# Altium PCB CrypTech.PcbDoc (part 2 of 6)
Units mm, origin at the board's own origin, x right, y up, seen from the top; angles counter-clockwise.
Board outline 99.5 x 122 mm, 8 copper layers (Top, Ground Plane 1, Inner Layer 1, 3V3 Plane, Power Plane, Inner Layer 2, Ground Plane 2, Bottom), stack 1.553 mm thick; 385 components, 302 nets, 2103 pads, 1544 vias.
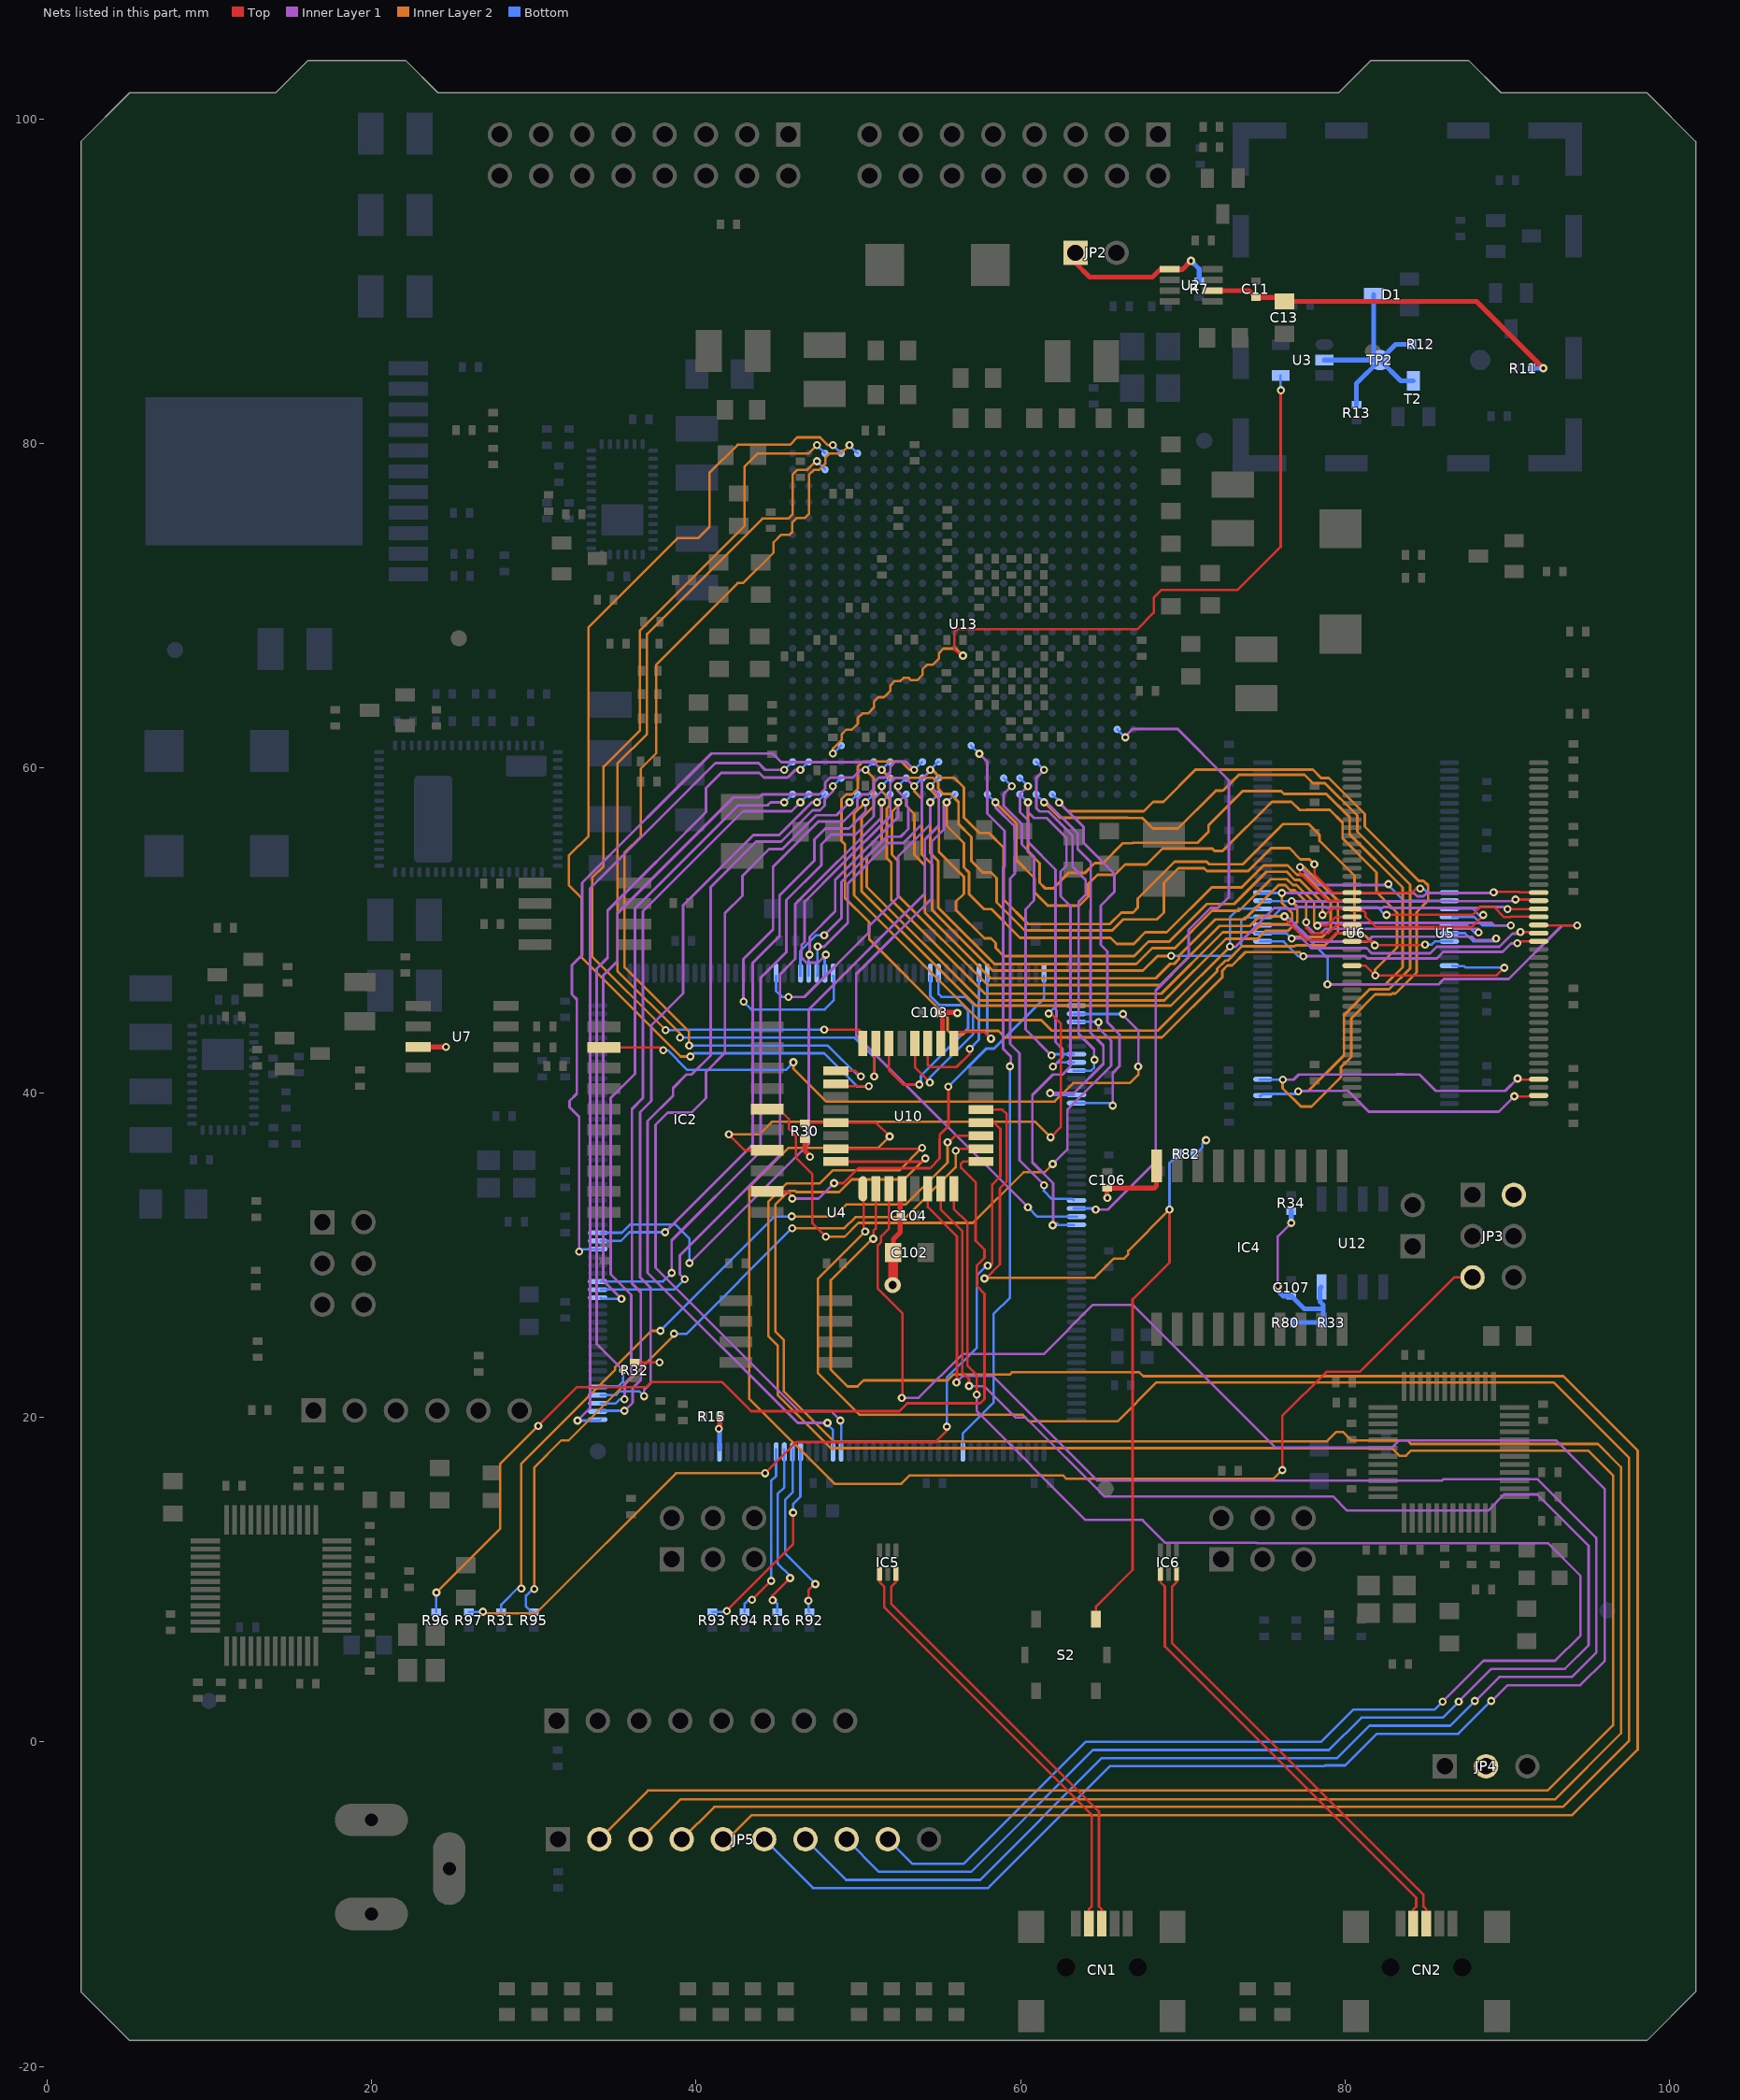
[diagram p8: the nets of this part, all layers, seen from the top]

## Footprints (in the part's own frame and the unit in brackets; to place one, negate y for a bottom-side part, rotate by r counter-clockwise, add the part's x,y. Pads: shape width x height; smd on the part's side, far side on the other; paste and mask are expansions set on the pad) (continued)
TSSOP50P1180X120-86N [mm] "TSSOP, 86-Leads, Body 22,22x10,16mm, Pitch 0,50mm, IPC Medium Density"
  oval 1.2x0.3 smd: 1(-5.75,10.5) 2(-5.75,10) 3(-5.75,9.5) 4(-5.75,9) 5(-5.75,8.5) 6(-5.75,8) 7(-5.75,7.5) 8(-5.75,7) 9(-5.75,6.5) 10(-5.75,6) 11(-5.75,5.5) 12(-5.75,5) 13(-5.75,4.5) 14(-5.75,4) 15(-5.75,3.5) 16(-5.75,3) 17(-5.75,2.5) 18(-5.75,2) 19(-5.75,1.5) 20(-5.75,1) 21(-5.75,0.5) 22(-5.75,0) 23(-5.75,-0.5) 24(-5.75,-1) 25(-5.75,-1.5) 26(-5.75,-2) 27(-5.75,-2.5) 28(-5.75,-3) 29(-5.75,-3.5) 30(-5.75,-4) 31(-5.75,-4.5) 32(-5.75,-5) 33(-5.75,-5.5) 34(-5.75,-6) 35(-5.75,-6.5) 36(-5.75,-7) 37(-5.75,-7.5) 38(-5.75,-8) 39(-5.75,-8.5) 40(-5.75,-9) 41(-5.75,-9.5) 42(-5.75,-10) 43(-5.75,-10.5) 44(5.75,-10.5) 45(5.75,-10) 46(5.75,-9.5) 47(5.75,-9) 48(5.75,-8.5) 49(5.75,-8) 50(5.75,-7.5) 51(5.75,-7) 52(5.75,-6.5) 53(5.75,-6) 54(5.75,-5.5) 55(5.75,-5) 56(5.75,-4.5) 57(5.75,-4) 58(5.75,-3.5) 59(5.75,-3) 60(5.75,-2.5) 61(5.75,-2) 62(5.75,-1.5) 63(5.75,-1) 64(5.75,-0.5) 65(5.75,0) 66(5.75,0.5) 67(5.75,1) 68(5.75,1.5) 69(5.75,2) 70(5.75,2.5) 71(5.75,3) 72(5.75,3.5) 73(5.75,4) 74(5.75,4.5) 75(5.75,5) 76(5.75,5.5) 77(5.75,6) 78(5.75,6.5) 79(5.75,7) 80(5.75,7.5) 81(5.75,8) 82(5.75,8.5) 83(5.75,9) 84(5.75,9.5) 85(5.75,10) 86(5.75,10.5)
  silkscreen extent -5.88,-11.2 4.75,11.32, body extent -5.15,-11.2 5.15,11.2, height 1.2
USB-MINIB [mm] "USB-MINIB"
  rect 0.6x1.6 smd: D+(0,3.7) D-(-0.8,3.7) GND(1.6,3.7) ID(0.8,3.7) VBUS(-1.6,3.7)
  rect 1.6x2 smd: GND(-4.34,-2) GND(-4.34,3.505) GND(4.36,-2) GND(4.36,3.505)
  round 1.016 hole 1.1 unplated mask+0.25: ""(-2.2,1.016) ""(2.21,1.016)
  silkscreen extent -3.9,-0.6 3.91,4.85, body extent -4.92,-5.01 4.98,4.19, height 4.14
VD_0603 [mm] "Chip, 2-Leads, Body 1,6x0,8mm, IPC Medium Density"
  rect 0.8x1 smd paste-0.08 mask+0.05: 1(-0.8,0) 2(0.8,0)
  silkscreen extent -1.53,-0.83 1.83,0.83, body extent -0.85,-0.45 0.85,0.45, height 0.5
WE-SHC_36103205_NO_CREAM [mil] "WE-SHC_36103205_NO_CREAM"
  rect 40x130 smd: 1(-353.54,-358.27) 1(-353.54,359) 1(454,-358.27) 1(454,359)
  rect 40x103 smd: 1(-353.54,-147.64) 1(-353.54,148) 1(454,-147.64) 1(454,148)
  rect 130x40 smd: 1(-308.27,-403.54) 1(-308.27,404) 1(409,-403.54) 1(409,404)
  rect 103x40 smd: 1(-97.64,-403.54) 1(-97.64,404) 1(198,-403.54) 1(198,404)
  silkscreen extent -394,-453 492,453
XTAL3215 [mil] "XTAL3215"
  rect 44x75 smd: P$1(48,0) P$2(-47.24,0)
  silkscreen extent -52,-49 52,49

## Part data
C1 C2 C3 C113 C114 C205 C206: library part C-EUC1210, "1210 CAPACITOR"
C4 C5 C6 C11 C12 C17 C18 C19 C20 C28 C29 C30 C31 C32 C33 C34 C35 C36 C37 C38 C39 C40 C41 C42 C43 C44 C45 C46 C47 C48 C49 C50 C51 C52 C53 C54 C55 C56 C57 C58 C59 C60 C61 C62 C63 C64 C65 C66 C67 C68 C69 C70 C71 C73 C74 C75 C76 C78 C79 C81 C83 C84 C85 C86 C88 C89 C90 C91 C93 C94 C96 C98 C99 C100 C101 C103 C104 C105 C106 C107 C108 C109 C110 C111 C112 C115 C116 C117 C118 C121 C122 C124 C125 C128 C129 C130 C131 C134 C135 C138 C142 C143 C146 C147 C150 C151 C154 C155 C158 C159 C162 C163 C164 C181 C182 C183 C184 C185 C186 C187 C188 C189 C190 C191 C192 C193 C194 C195 C196 C197 C198 C199 C200 C201 C202 C203 C204 C207 C208 C211 C212 C213 C214 C215: library part C-EUC0402, "0402 CAPACITOR"
C7 C13: library part C-EUC0603, "0805 CAPACITOR X7R 25V"
C8 C119 C120 C126 C133 C137 C165 C166 C167 C168 C209 C210: library part C-EUC1210, "1210 CAPACITOR X5R 6.3V"
C9 C10 C123 C127: library part CP_E-035X080, "Kemet Tantalum Capacitor"
C14 C15 C16: library part C-EUC0603, "0402 CAPACITOR"
C21 C22 C23 C24 C25: library part C-EUC0603, "0603 CAPACITOR"
C26 C27 C77 C80 C92 C95 C102: library part C-EUC0805, "0805 CAPACITOR"
C72 C82 C87 C97 C132 C136 C139 C140 C141 C144 C145 C148 C149 C152 C153 C156 C157 C160 C161 C169 C170 C171 C172 C173 C174 C175 C176 C177 C178 C179 C180: library part C-EUC0603, "0805 CAPACITOR"
CN1 CN2: library part USBMINIB, "mini USB type B Connector"
D1 D2 D3 D4: library part BAT54, "OnSemi Schottky Diode"
FB1 FB2 FB3 FB4: library part FERRITE_0603MP, "Ferrite Bead 600 Ohm 500mA"
FB5 FB6 FB7: library part BLM31PG330SN1_1206
IC1 IC3: library part N25Q128A13ES, "NOR Flash"
IC2 IC4: library part 74*244DW, "Octal BUFFER and LINE DRIVER, 3-state"
IC5 IC6: library part RCLAMP0502ASC-89, "USB protective diodes"
J1: "STM32 SWD connector"
J2 J3 JP7: "2x3 .1\" header"
JP1: library part POWER_JACKSMD, "Wurth Power Connector 5.5x2.1mm Barrel"
JP2 JP6: library part JP1Q, "Wurth 2pins connector (for jumper)"
JP3: "AVR ISP 6 Pin.  / This is the reduced ISP connector for AVR programming. Common on Arduino. This footprint will take up less PCB space and can be used with a 10-pin to 6-pin adapter such as SKU: BOB-08508. *Special note about \"TEST_POINT\" package. The stop mask is on the top side, so if you want your programming test points to be on the bottom of your board, make sure to place this package on the bottom side of the board. This also ensure that the orientation to program from the bottom side will be correct."
JP4: "Standard 3-pin 0.1\" header. Use with straight break away headers (SKU : PRT-00116), right angle break away headers (PRT-00553), swiss pins (PRT-00743), machine pins (PRT-00117), and female headers (PRT-00115). Molex polarized connector foot print use with SKU : PRT-08232 with associated crimp pins and housings."
JP5: "Standard 10-pin 0.1\" header. Use with straight break away headers (SKU : PRT-00116), right angle break away headers (PRT-00553), swiss pins (PRT-00743), machine pins (PRT-00117), and female headers (PRT-00115)."
LED1 LED9 LED15 LED18: library part LEDCHIP-LED0603, "GREEN LED"
LED2 LED10 LED13 LED14: library part LEDCHIP-LED0603, "RED LED"
LED3 LED11 LED17: library part LEDCHIP-LED0603, "BLUE LED"
LED4 LED12 LED16: library part LEDCHIP-LED0603, "YELLOW LED"
Q1 Q4 Q6: library part 2N7002, "OnSemi FET"
Q2 T1 T2: library part BC818*SMD, "NPN Transistor"
Q3: library part XTAL-4-3225, "Abracon 25MHz 10pF 4-pin 3.2 x 2.5mm crystal"
Q5: library part ASF*, "CRYSTAL CLOCK OSCILLATOR. 5.0 Vdc or 3.3 Vdc - LOW PROFILE ULTRA MINIATURE CERAMIC SURFACE MOUNT.  / Source: http://www.abracon.com/Oscillators/asf1-L-L1.pdf"
R1 R2 R8 R9 R10 R11 R12 R13 R22 R26 R56 R57 R58 R59 R68 R69 R72 R74 R76: library part R-EU_R0402, "0402 Resistor 1%"
R3 R4 R5 R6 R7 R14 R15 R16 R17 R18 R19 R20 R21 R23 R27 R30 R31 R32 R33 R34 R35 R36 R37 R38 R39 R40 R41 R42 R43 R44 R45 R46 R47 R49 R50 R51 R52 R53 R54 R55 R60 R61 R64 R65 R66 R67 R70 R73 R75 R77 R78 R80 R81 R82 R86 R87 R88 R89 R90 R91 R92 R93 R94 R95 R96 R97 R98 R99 R100: library part R-EU_R0402, "0402 Resistor 5%"
R62 R63 R71 R83 R84 R85: library part R-EU_R0603, "0402 Resistor 5%"
S1: library part WE-SHC, "WE-SHC Shielding cabinet"
S2: library part TACTILE_SWITCH, "Tacktile switch"
SV1 SV2 SV3: "PIN HEADER 0.1\""
TP1 TP2: "Test pad"
U1: library part LMZ13608, "8-A SIMPLE SWITCHER® Power Module With 36-V Maximum Input Voltage"
U2: library part LT3060ITS8-15, "Micropower, Low Noise, 100mA LDO, Linear Regulator"
U3: "Single Inverter with Schmitt-Trigger Input"
U4: "STM32F429 Cortex-M4 CPU / 180 MHz, 256 KB RAM, 2 MB Flash"
U5 U6: library part IS45S32160F, "16Mx32, 512Mb SDRAM / Clock frequency: 166, 143 MHz"
U7: "RTCC, I2C, 1K EE, 64B SRAM, 8SOIC"
U8 U9: library part FT232H_SERIAL, "INTERFACE, USB - UART/FIFO"
U10: "IC, MCU, 8KB, FLASH, 20MHZ, TQFP-32"
U12: "64K SPI Bus Low-Power Serial SRAM,SOIC-8"
U13: "Xilinx FPGA: XC7A200TFBG484"
U14 U15: "3A PowerSoC / Voltage Mode Synchronous PWM Buck with Integrated Inductor"
U16: "6A PowerSoC / Voltage Mode Synchronous Buck PWM DC-DC Converter / With Integrated Inductor"
X1: library part XTAL-3.2X1.5, "Crystal 32.768kHz"
Y1 Y2: library part CRYSTALTHIN, "Crystal 12MHz"

## Free pads (board coordinates)
  round 1 smd far side paste-10 mask+1: ""(7.901,67.272) ""(9.992,2.518) ""(33.95,17.89) ""(43.039,54.558) ""(63.285,47.85) ""(71.321,80.168) ""(96.144,8.094)
  round 1 smd paste-10 mask+1: ""(25.379,67.997) ""(65.239,15.597) ""(81.711,85.638)

## Via types
v1: diameter 0.5, hole 0.25, Top to Bottom, tented both sides, 1180 vias
v2: diameter 1, hole 0.5, Top to Bottom, tented both sides, 296 vias
v3: diameter 0.6, hole 0.25, Top to Bottom, tented both sides, 68 vias

## Nets (pads, with @x,y where several pads share a name; then routed paths per layer and width w, separated by ;. In a path a pad name is that pad's centre, name@x,y a point inside that pad or via, vN(x,y) a via of type N, cw(c..) or ccw(c..) an arc to the next point about the centre after c; other vN are vias at no path point)
3V3_BATT: C102.1 C103.1 C104.1 C106.1 C107.1 IC4.20 JP3.2 JP4.2 R30.2 R32.1 R33.1 R34.2 R80.2 R82.2 U7.3 U10.4 U10.18 U12.8 | length 33.1
  Top w0.164: R32.1@36.22,23.385 v1@37.75,23.385
  Top w0.3: U7.3@22.882,42.815 v1(24.585,42.815) v1@24.625,42.775 ; R30.2@46.7,37.125 46.7,36.425 v1@46.925,36.2 ; C102.1@52.153,30.148 52.153,30.978 52.583,31.408 C104.1@52.583,32.429 52.583,34.215 U10.4@52.677,34.308 ; U10.18@55.09,42.792 55.178,42.88 55.178,44.677 C103.1@54.904,44.951 56.074,44.951 56.1,44.925 v1(56.1,44.9) ; v1(65.35,33.525) 65.375,33.525 65.325,33.575 C106.1@65.325,34.125 68.25,34.125 68.377,34.252 IC4.20@68.377,35.493
  Top w0.6: v2@52.153,28.15 C102.1@52.153,30.148
  Inner Layer 1 w0.15: v1(75.85,28.075) 75.85,31.15 v1(76.675,31.975)
  Inner Layer 1 w0.3: v1(56.1,44.9) v1@56.1,44.955
  Bottom w0.15: R82.2@70.706,36.23 70.805,36.23 71.215,36.64 71.215,36.865 v1(71.425,37.075)
  Bottom w0.3: v1(75.85,28.075) 75.85,27.8 76.175,27.475 C107.1@76.683,27.475 77.482,26.675 78.543,26.675 78.646,26.779 ; v1(76.675,31.975) R34.2@76.675,32.7 ; R80.2@76.827,25.841 R33.1@78.646,25.841 78.646,26.779 ; U12.8@78.537,28.026 78.45,27.939 78.45,27.121 78.646,26.924 78.646,26.779
  other v1: 37.75,23.375 47.025,36.05
  other v2: 52.125,28.15
15V_LDO_ENABLE: JP2.1 R7.2 U2.1 | length 10
  Top w0.3: JP2.1@63.377,91.745 63.377,91.123 64.25,90.25 68.125,90.25 68.6,90.725 U2.1@69.2,90.725 69.975,90.725 v1(70.5,91.25)
  Bottom w0.3: v1(70.5,91.25) 71,90.75 R7.2@71,90
15V_STABLE: C11.2 C13.1 R11.1 U2.6 | length 22.6
  Top w0.3: U2.6@72.321,89.42 74.08,89.42 C11.2@74.5,89 76,89 C13.1@76.25,88.75 88.091,88.75 v1(92.208,84.633)
  Bottom w0.3: R11.1@91.483,84.633 v1(92.208,84.633) v1@92.225,84.65
AMPLIFIED: D1.3 R12.2 R13.1 T2.3 TP2.TP U3.2 | length 16
  Bottom w0.3: U3.2@78.718,85.141 TP2.TP@82.144,85.141 ; R13.1@80.696,82.39 80.696,83.693 TP2.TP@82.144,85.141 ; D1.3@81.755,89.179 81.755,85.53 TP2.TP@82.144,85.141 ; R12.2@84.158,86.106 83.109,86.106 TP2.TP@82.144,85.141 ; T2.3@84.201,83.853 83.431,83.853 TP2.TP@82.144,85.141
ARM_FPGA_CFG_CS_N: IC2.2 U4.104 | length 26.1
  Top w0.164: IC2.2@44.385,33.907 45.643,33.907 45.925,33.625 v1(45.925,33.475) ; v1(48.5,34.425) 49.075,34.425 50,35.35 54.425,35.35 55.018,35.943 55.018,37.157 55.025,37.164 55.025,37.425 55.55,37.95 v1(55.55,40.375)
  Inner Layer 1 w0.164: v1(45.925,33.475) 47.55,33.475 v1(48.5,34.425)
  Bottom w0.164: v1(55.55,40.375) 57.9,42.725 58.375,42.725 61.443,45.793 U4.104@61.443,47.193
ARM_FPGA_CFG_MISO: IC2.12 U4.106 | length 42.9
  Top w0.15: IC2.12@34.327,42.797 37.828,42.797 37.982,42.643 v1(37.982,42.621)
  Inner Layer 1 w0.15: v1(66.314,44.843) 66.268,44.843 66.25,44.825 66.275,44.825 67.253,43.847 v1@67.253,41.6
  Inner Layer 2 w0.15: v1(46,41.875) 46,41.475 48.025,39.45 62.1,39.45 63.24,40.59 66.74,40.59 67.253,41.103 v1@67.253,41.6
  Bottom w0.15: v1(37.982,42.621) 38.254,42.621 39.475,41.4 45.525,41.4 v1(46,41.875) ; U4.106@63.271,44.856 63.285,44.843 v1(66.314,44.843)
  other v1: 67.25,41.6
ARM_FPGA_CFG_MOSI: IC2.6 U4.107 | length 37.6
  Top w0.15: IC2.6@44.385,38.987 45.113,38.987 45.725,38.375 45.725,37.75 46.15,37.325 46.15,36 47.175,34.975 47.175,31.954 v1(48.002,31.127)
  Inner Layer 1 w0.15: v1@62.15,35.775 62.875,36.5 62.875,38.95 65.575,41.65 65.575,43.2 64.8,43.975 v1(64.8,44.35)
  Inner Layer 2 w0.15: v1(48.002,31.127) 49.152,31.127 50,31.975 57.053,31.975 60.178,35.1 61.475,35.1 v1(61.975,35.6)
  Bottom w0.15: U4.107@63.271,44.374 64.674,44.374 64.8,44.5 v1@64.85,44.5
ARM_FPGA_CFG_SCLK: IC2.4 U4.105 | length 33.3
  Top w0.15: v1(61.725,44.875) 61.875,44.875 62.475,44.275 62.475,37.875 v1(61.85,37.25)
  Top w0.164: v1(42.025,37.425) 43.003,36.447 IC2.4@44.385,36.447
  Inner Layer 2 w0.15: v1(42.025,37.425) 43.9,37.425 44.675,38.2 60.9,38.2 v1(61.85,37.25)
  Bottom w0.15: v1(61.725,44.875) 62.214,45.364 U4.105@63.271,45.364
ARM_LED1: R93.2 U4.187 | length 12.8
  Top w0.15: v1(41.9,8.075) 41.9,8.1 45.975,12.175 v1(45.975,14.125)
  Bottom w0.15: R93.2@41,8 41.825,8 v1(41.9,8.075) ; v1(45.975,14.125) 45.975,14.65 46.431,15.106 U4.187@46.431,18.034
ARM_LED2: R92.2 U4.188 | length 11.2
  Top w0.15: v1(46.925,8.7) 46.925,9.351 47.3,9.725 v1(47.352,9.725)
  Bottom w0.15: U4.188@45.949,18.034 45.949,15.374 45.5,14.925 45.5,11.6 47.352,9.748 v1(47.352,9.725) ; v1(46.925,8.7) 46.925,8.075 R92.2@47,8
ARM_LED3: R16.2 U4.189 | length 11.2
  Top w0.15: v1(44.727,8.725) 44.7,8.753 44.7,9 v1(45.8,10.1)
  Bottom w0.15: v1(44.727,8.725) 44.725,8.728 44.797,8.728 45,8.525 R16.2@45,8 ; U4.189@45.441,18.034 45.441,15.691 45.025,15.275 45.025,11 45.825,10.2 45.825,10.125 v1(45.8,10.1)
ARM_LED4: R94.2 U4.190 | length 11
  Top w0.15: v1(43.45,8.75) v1(44.625,9.925)
  Bottom w0.15: R94.2@43,8 43,8.518 43.232,8.75 v1(43.45,8.75) ; v1@44.625,9.875 44.625,16.075 44.933,16.383 U4.190@44.933,18.034
AVR_GPIO_0: JP5.2 U10.31 | length 162.7
  Top w0.164: U10.31@48.841,36.543 53.868,36.543 v1(53.925,36.6)
  Inner Layer 2 w0.15: JP5.2@34.04,-6 37.04,-3 92.474,-3 96.5,1.026 96.5,16.426 94.976,17.95 84.065,17.95 83.743,17.629 83.35,17.629 82.878,18.1 48.3,18.1 45.025,21.375 45.025,24.422 44.45,24.997 44.45,33.275 45.58,34.405 47.623,34.405 48.425,35.207 52.532,35.207 v1(53.925,36.6)
AVR_GPIO_1: JP5.3 U10.32 | length 161.1
  Top w0.164: U10.32@48.841,35.756 53.931,35.756 v1(54.125,35.95)
  Inner Layer 2 w0.15: JP5.3@36.58,-6 39.041,-3.539 92.932,-3.539 97,0.529 97,16.926 95.565,18.362 84.048,18.362 83.831,18.579 80.368,18.579 79.852,19.095 79.459,19.095 78.889,18.525 48.475,18.525 45.4,21.6 45.4,24.775 44.9,25.275 44.9,33.122 45.728,33.95 46.122,33.95 46.197,33.875 47.125,33.875
  Inner Layer 2 w0.164: 47.125,33.875 48.825,33.875 49.6,34.65 52.825,34.65 v1(54.125,35.95)
AVR_GPIO_2: JP5.4 U10.1 | length 145.3
  Top w0.15: U10.1@50.289,34.308 50.325,34.272 50.325,31.554 v1(50.427,31.452)
  Inner Layer 2 w0.15: JP5.4@39.12,-6 41.12,-4 93.414,-4 97.5,0.086 97.5,17.486 92.836,22.15 68.38,22.15 65.98,19.75 60.547,19.75 60.147,20.15 50.075,20.15 47.5,22.725 47.5,28.524 v1(50.427,31.452)
AVR_GPIO_3: JP5.5 U10.2 | length 142.2
  Top w0.15: v1(50.925,31) 50.925,31.474 51.077,31.626 U10.2@51.077,34.308
  Inner Layer 2 w0.15: JP5.5@41.66,-6 41.95,-6 43.437,-4.513 93.987,-4.513 98.024,-0.476 98.024,17.955 93.446,22.532 67.56,22.532 67.318,22.775 59.474,22.775 59.324,22.625 55.853,22.625 55.503,22.275 50.322,22.275 49.947,21.9 49.35,21.9 48.3,22.95 48.3,28.447 50.853,31 v1(50.925,31)
AVR_GPIO_4: JP5.6 U10.3 | length 134.2
  Top w0.15: U10.3@51.889,34.308 51.889,31.639 51.4,31.15 51.4,30.803 51.2,30.603 51.2,27.925 52.725,26.4 v1@52.725,21.2
  Inner Layer 1 w0.15: v1(52.675,21.2) 53.725,21.2 56.425,23.9 61.425,23.9 64.45,26.925 66.887,26.925 75.668,18.145 82.916,18.145 83.35,18.579 92.994,18.579 96,15.572 96,5.006 94.494,3.5 90.006,3.5 v1@89.006,2.5
  Bottom w0.15: JP5.6@44.2,-6 47.2,-9 58,-9 65.5,-1.5 78.718,-1.5 78.768,-1.45 80,-1.45 81.95,0.5 86.966,0.5 v1(88.993,2.527)
AVR_GPIO_5: JP5.7 U10.6 | length 119.3
  Top w0.15: U10.6@54.277,34.075 U10.6@54.277,34.308 ; U10.6@54.283,34.075 54.283,32.942 56.075,31.15 v1@56.075,22.15
  Inner Layer 1 w0.15: v1(56.05,22.15) 56.45,22.55 58.275,22.55 64.725,16.1 85.957,16.1 86.032,16.176 91.87,16.176 95.473,12.573 95.473,5.5 93.973,4 89.5,4 v1@88,2.5
  Bottom w0.15: JP5.7@46.74,-6 49.24,-8.5 57.503,-8.5 65.003,-1 79.5,-1 81.5,1 86.47,1 v1(87.998,2.527)
AVR_GPIO_6: JP5.8 U10.7 | length 114.6
  Top w0.15: U10.7@55.083,34.075 55.083,32.792 56.4,31.475 56.4,22.775 56.825,22.35 v1(56.825,21.925) ; U10.7@55.09,34.075 U10.7@55.09,34.308
  Inner Layer 1 w0.15: v1(56.825,21.925) 57.75,21.925 59.7,19.975 60.322,19.975 65.175,15.122 79.253,15.122 80.125,14.25 88.8,14.25 89.8,15.25 91.836,15.25 95,12.086 95,5.955 93.545,4.5 89.005,4.5 v1@87,2.495
  Bottom w0.15: JP5.8@49.28,-6 51.28,-8 56.953,-8 64.453,-0.5 79,-0.5 81,1.5 86.021,1.5 v1(86.999,2.477)
AVR_GPIO_7: JP5.9 U10.8 | length 108.5
  Top w0.15: U10.8@55.883,34.075 55.883,32.842 56.725,32 56.725,23.175 57.3,22.6 v1(57.3,21.4)
  Inner Layer 1 w0.15: v1(57.3,21.4) 57.3,20.379 64.004,13.675 67.503,13.675 68.917,12.262 74.55,12.262 74.569,12.243 92.482,12.243 94.5,10.225 94.5,6.564 92.936,5 88.523,5 v1(86,2.477)
  Bottom w0.15: JP5.9@51.82,-6 53.32,-7.5 56.5,-7.5 64,0 78.507,0 80.507,2 85.523,2 v1(86,2.477)
AVR_GPIO_ARM_0: U4.97 U10.17 | length 7.3
  Top w0.164: U10.17@55.877,42.792 55.877,43.611 55.984,43.718 56.175,43.718 56.191,43.734 57.766,43.734 v1(58.175,43.325)
  Bottom w0.164: U4.97@57.937,47.193 57.937,43.563 v1(58.175,43.325)
AVR_GPIO_ARM_1: U4.96 U10.19 | length 9.1
  Top w0.164: U10.19@54.277,42.792 54.277,41.723 54.425,41.575 56.05,41.575 56.875,42.4 v1(56.875,42.7)
  Bottom w0.164: v1(56.875,42.7) 57.429,43.254 U4.96@57.429,47.193
AVR_GPIO_ARM_2: U4.91 U10.20 | length 12
  Top w0.15: U10.20@53.49,42.792 53.49,41.56 54.403,40.647 v1(54.403,40.627)
  Bottom w0.15: v1(54.403,40.627) 54.403,40.928 57.075,43.6 57.075,45.425 56.6,45.9 55.125,45.9 54.94,46.085 U4.91@54.94,47.193
AVR_GPIO_ARM_3: U4.90 U10.22 | length 13.6
  Top w0.15: 51.889,41.386 U10.22@51.889,42.792
  Top w0.164: 51.889,41.386 52.782,40.493 53.748,40.493 v1(53.753,40.497)
  Bottom w0.164: v1(53.753,40.497) 53.85,40.4 53.85,41.05 56.768,43.968 56.768,45.057 56.432,45.393 54.991,45.393 54.432,45.952 U4.90@54.432,47.193
AVR_GPIO_FPGA_0: U10.23 U13.B20 | length 59.7
  Top w0.15: v1(50.975,41) 50.975,42.69 U10.23@51.077,42.792
  Inner Layer 2 w0.15: v1(39.025,43.4) 39.025,43.626 35.15,47.501 35.15,60.275 36.975,62.1 36.975,68.25 44.1,75.375 45.675,75.375 45.958,75.658 45.958,78.086 46.236,78.364 46.828,78.364 47.369,78.905 v1(47.449,78.905)
  Bottom w0.15: v1@39.027,43.402 49.748,43.402 50.975,42.175 v1(50.975,41) ; v1(47.449,78.905) U13.B20@47.944,78.41
AVR_GPIO_FPGA_1: U10.24 U13.A20 | length 59.3